# Altium PCB PROB_S7CAS_PCB.PcbDoc (part 1 of 6) (continued)
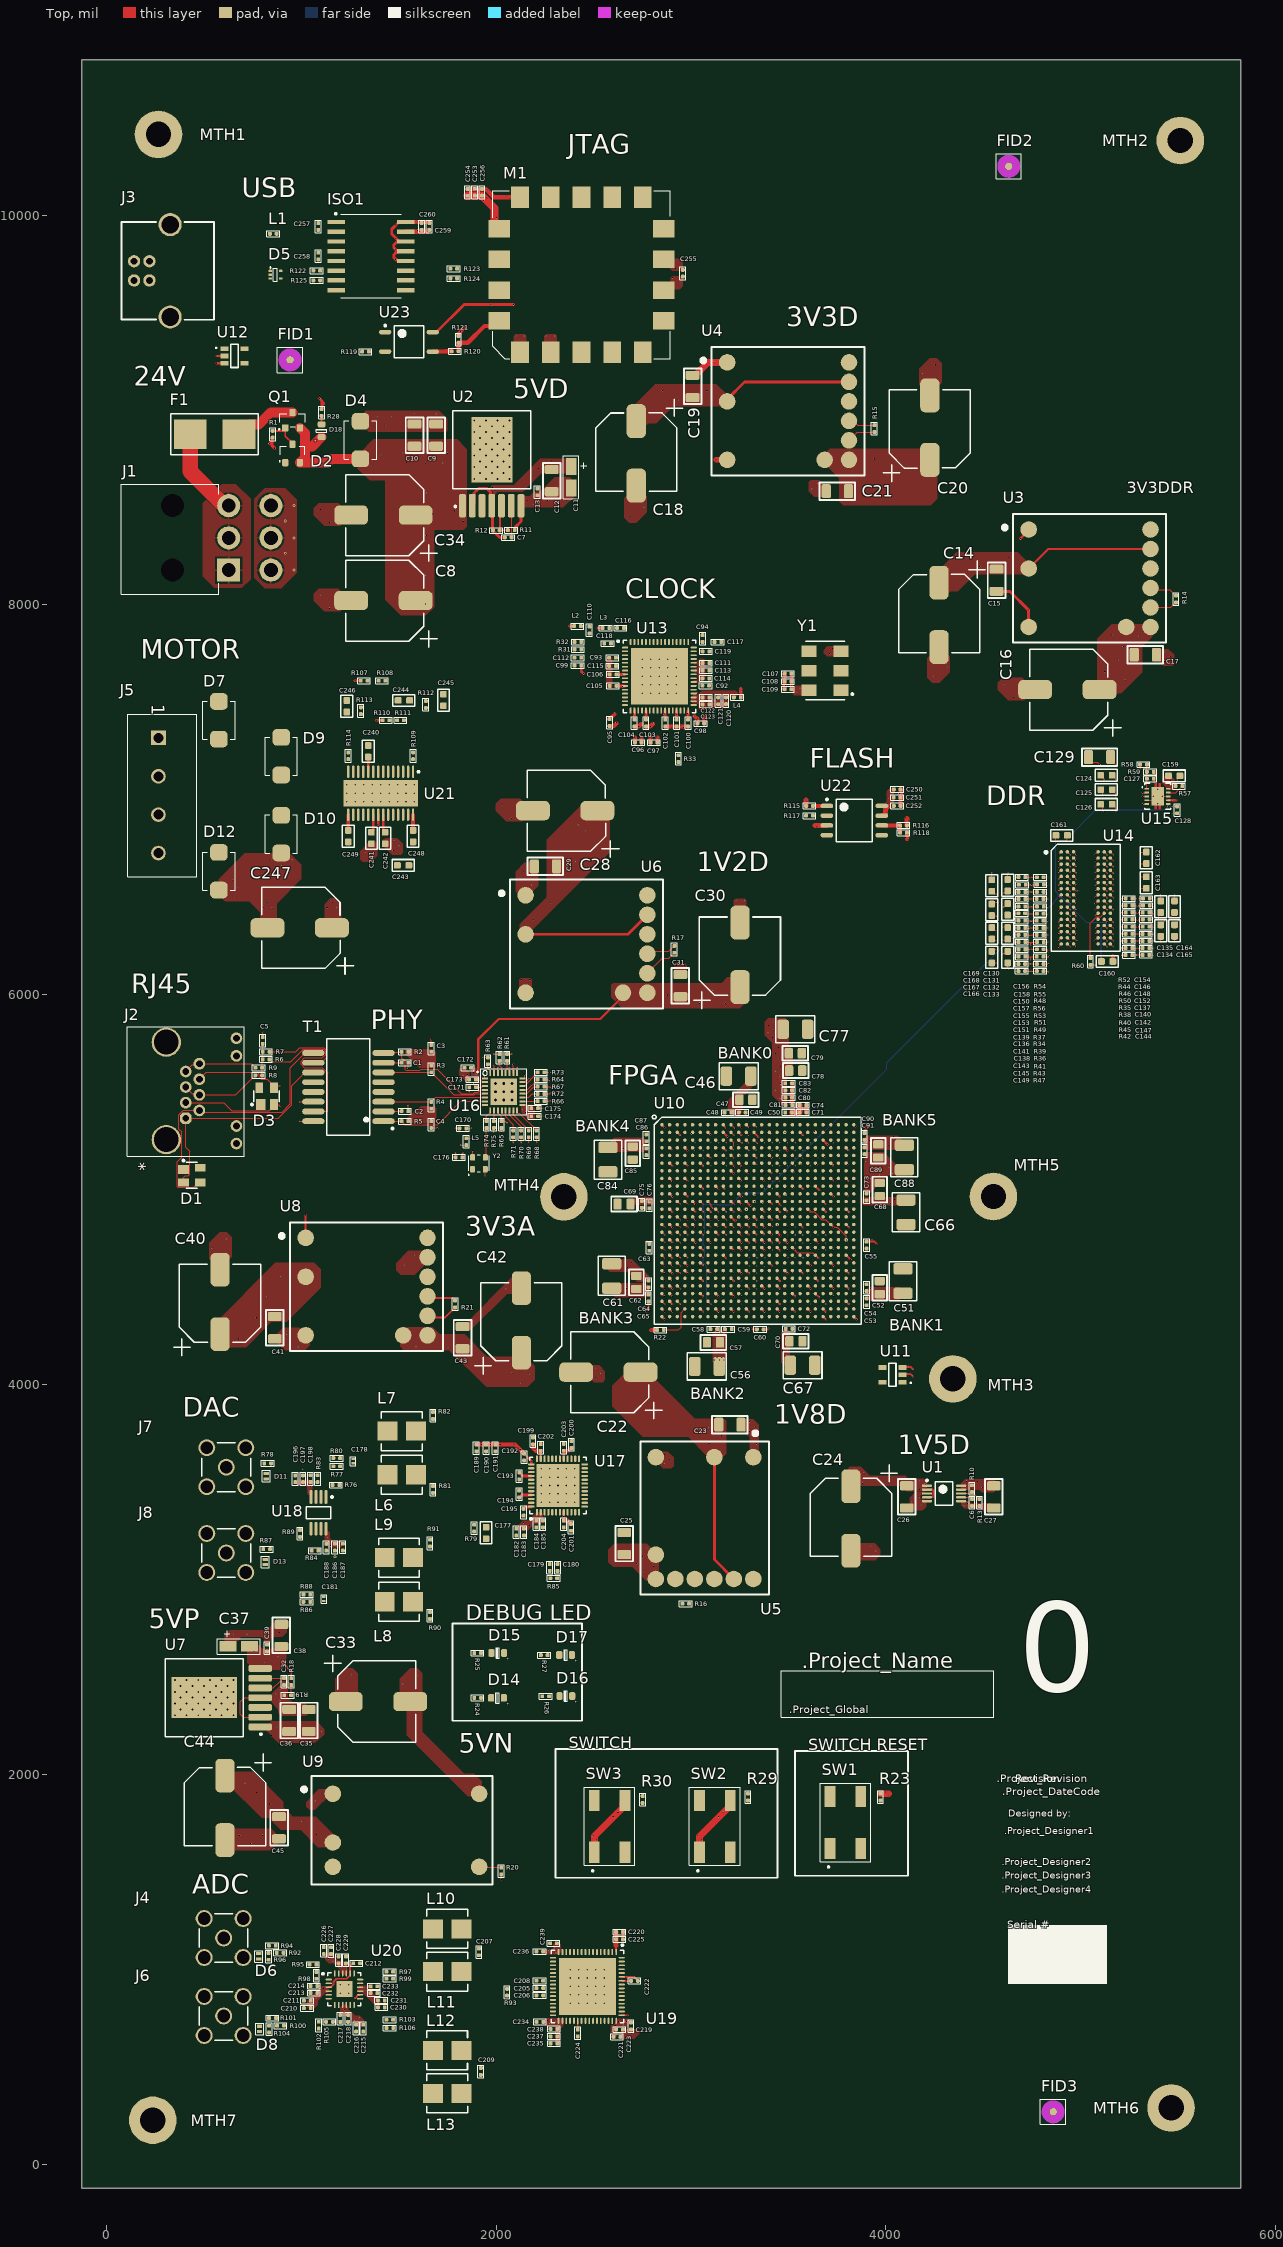
[diagram p0: Top view]
## Classes and differential pairs
component class PROB_S7CAS_Title: FID1 FID2 FID3 MTH1 MTH2 MTH5 MTH6 MTH7 WA1
component class PROB_S7CAS_PHY: C170 C171 C172 C173 C174 C175 C176 L5 R61 R62 R63 R64 R65 R66 R67 R68 R69 R70 R71 R72 R73 R74 R75 U16 Y2
component class PROB_S7CAS_MOTDRIVER: C240 C241 C242 C243 C244 C245 C246 C247 C248 C249 R107 R108 R109 R110 R111 R112 R113 R114 U21
component class PROB_S7CAS_INTERFACE: D14 D15 D16 D17 D18 R23 R24 R25 R26 R27 R28 R29 R30 SW1 SW2 SW3 U11 U12
component class PROB_S7CAS_FPGA_3: C84 C85 C86 C87 C88 C89 C90 C91
component class PROB_S7CAS_FPGA_2: C56 C57 C58 C59 C60 C61 C62 C63 C64 C65 C66 C67 C68 C69 C70 C71 C72 C73 C74 C75 C76 C77 C78 C79 C80 C81 C82 C83 R22
component class PROB_S7CAS_FPGA_1: C46 C47 C48 C49 C50 C51 C52 C53 C54 C55 U10
component class PROB_S7CAS_FLASH-JTAG: C250 C251 C252 C253 C254 C255 C256 C257 C258 C259 C260 ISO1 M1 R115 R116 R117 R118 R119 R120 R121 R122 R123 R124 R125 U22 U23
component class PROB_S7CAS_DDR: C124 C125 C126 C127 C128 C129 C130 C131 C132 C133 C134 C135 C136 C137 C138 C139 C140 C141 C142 C143 C144 C145 C146 C147 C148 C149 C150 C151 C152 C153 C154 C155 C156 C157 C158 C159 C160 C161 C162 C163 C164 C165 C166 C167 C168 C169 R34 R35 R36 R37 R38 R39 R40 R41 R42 R43 R44 R45 R46 R47 R48 R49 R50 R51 R52 R53 R54 R55 R56 R57 R58 R59 R60 U14 U15
component class PROB_S7CAS_DAC: C177 C178 C179 C180 C181 C182 C183 C184 C185 C186 C187 C188 C189 C190 C191 C192 C193 C194 C195 C196 C197 C198 C199 C200 C201 C202 C203 C204 L6 L7 L8 L9 R76 R77 R78 R79 R80 R81 R82 R83 R84 R85 R86 R87 R88 R89 R90 R91 U17 U18
component class PROB_S7CAS_Connectors: C1 C2 C3 C4 C5 D1 D2 D3 D4 D5 D6 D7 D8 D9 D10 D11 D12 D13 F1 J1 J2 J3 J4 J5 J6 J7 J8 L1 Q1 R1 R2 R3 R4 R5 R6 R7 R8 R9 T1
component class PROB_S7CAS_Clock: C92 C93 C94 C95 C96 C97 C98 C99 C100 C101 C102 C103 C104 C105 C106 C107 C108 C109 C110 C111 C112 C113 C114 C115 C116 C117 C118 C119 C120 C121 C122 C123 L2 L3 L4 R31 R32 R33 U13 Y1
component class PROB_S7CAS_ArbreAlimentation: C6 C7 C8 C9 C10 C11 C12 C13 C14 C15 C16 C17 C18 C19 C20 C21 C22 C23 C24 C25 C26 C27 C28 C29 C30 C31 C32 C33 C34 C35 C36 C37 C38 C39 C40 C41 C42 C43 C44 C45 R10 R11 R12 R13 R14 R15 R16 R17 R18 R19 R20 R21 U1 U2 U3 U4 U5 U6 U7 U8 U9 XXXXXXXXXXXXXXX
component class PROB_S7CAS_ADC: C205 C206 C207 C208 C209 C210 C211 C212 C213 C214 C215 C216 C217 C218 C219 C220 C221 C222 C223 C224 C225 C226 C227 C228 C229 C230 C231 C232 C233 C234 C235 C236 C237 C238 C239 L10 L11 L12 L13 R92 R93 R94 R95 R96 R97 R98 R99 R100 R101 R102 R103 R104 R105 R106 U19 U20

## Components (designator, comment, footprint, x,y, rotation, side; value= is the part's Value field where it differs from the comment)
C1 "CAP - 0402" CAP_0402 1532.52,5650.94 r180 top value=0.2u
C2 "CAP - 0402" CAP_0402 1532.52,5402.78 r180 top value=0.2u
C3 "CAP - 0402" CAP_0402 1667.18,5724.87 r270 top value=0.1u
C4 "CAP - 0402" CAP_0402 1667.34,5333.74 r90 top value=0.1u
C5 "CAP - 0402" CAP_0402 802.62,5765.31 r270 top value=1000p
C6 "CAP - 0402" CAP_0402 4441.43,3394.87 r90 top
C7 "CAP - 0402" CAP_0402 2062.1,8345.93 r0 top value=0.22u
C8 "MAL215099101E3" CAP_ALU_1010_vishay 1256.22,8021.75 r0 top value=150uF
C9 "CAP - 1206" CAP_1206 1692.12,8870.76 r270 top value=10u
C10 "CAP - 1206" CAP_1206 1581.37,8870.76 r270 top value=10u
C11 "CAP - TANTALUM - CASE A" CAP_TAN_1206(A) 2385.21,8654.44 r270 top value=220u
C12 "CAP - 1206" CAP_1206 2284.87,8637.29 r270 top value=100u
C13 "CAP - 0402" CAP_0402 2211.64,8579.66 r270 top value=47n
C14 "MAL214699501E3" CAP_ALU_1010_vishay 4272.18,7783.28 r90 top value=330uF
C15 "CAP - 1206" CAP_1206 4567.24,8126.23 r90 top value=22u
C16 "MAL215099101E3" CAP_ALU_1010_vishay 4765.21,7565.27 r0 top value=150uF
C17 "CAP - 1206" CAP_1206 5330.72,7744.39 r180 top value=100u
C18 "MAL214699501E3" CAP_ALU_1010_vishay 2719.2,8612.16 r90 top value=330uF
C19 "CAP - 1206" CAP_1206 3007.79,9120.49 r270 top value=22u
C20 "MAL215099101E3" CAP_ALU_1010_vishay 4225.02,9074.28 r270 top value=150uF
C21 "CAP - 1206" CAP_1206 3750.82,8583.32 r0 top value=100u
C22 "MAL214699501E3" CAP_ALU_1010_vishay 2410.41,4063.51 r0 top locked value=330uF
C23 "CAP - 1206" CAP_1206 3199.24,3794.51 r180 top value=22u
C24 "MAL215099101E3" CAP_ALU_1010_vishay 3820.36,3147.48 r90 top locked value=150uF
C25 "CAP - 1206" CAP_1206 2657.47,3184.52 r270 top value=100u
C26 "CAP - 1206" CAP_1206 4106.96,3423.76 r90 top value=10u
C27 "CAP - 1206" CAP_1206 4553.38,3423.76 r90 top value=47u
C28 "MAL214699501E3" CAP_ALU_1010_vishay 2188.84,6944.2 r0 top value=330uF
C29 "CAP - 1206" CAP_1206 2253,6658.51 r0 top value=22u
C30 "MAL215099101E3" CAP_ALU_1010_vishay 3251.36,6370.09 r270 top value=150uF
C31 "CAP - 1206" CAP_1206 2945.38,6046.76 r270 top value=100u
C32 "CAP - 0402" CAP_0402 911.96,2476.59 r90 top value=0.22u
C33 "MAL215099101E3" CAP_ALU_1010_vishay 1559.47,2373.58 r180 top locked value=100uF
C34 "MAL215099101E3" CAP_ALU_1010_vishay 1256.63,8460.73 r0 top value=150uF
C35 "CAP - 1206" CAP_1206 1038.78,2276.58 r270 top value=10u
C36 "CAP - 1206" CAP_1206 938.29,2276.58 r270 top value=10u
C37 "CAP - TANTALUM - CASE A" CAP_TAN_1206(A) 679.5,2657.04 r0 top value=220u
C38 "CAP - 1206" CAP_1206 898.26,2712.96 r270 top value=100u
C39 "CAP - 0402" CAP_0402 824.76,2647.7 r270 top value=47n
C40 "MAL214699501E3" CAP_ALU_1010_vishay 583.84,4589.29 r270 top value=330uF
C41 "CAP - 1206" CAP_1206 864.64,4291.92 r90 top value=22u
C42 "MAL215099101E3" CAP_ALU_1010_vishay 2129.65,4494.29 r270 top locked value=150uF
C43 "CAP - 1206" CAP_1206 1827.79,4240.58 r270 top value=100u
C44 "MAL214699501E3" CAP_ALU_1010_vishay 608.66,1662.87 r90 top locked value=330uF
C45 "CAP - 1206" CAP_1206 886.34,1726.58 r90 top value=22u
C46 "CAP - 1210" CAP_1210 3244.06,5582.07 r0 top value=100u
C47 "CAP - 0805" CAP_0805 3280.91,5461.31 r180 top value=4.7u
C48 "CAP - 0402" CAP_0402 3189.07,5395.54 r0 top value=0.47u
C49 "CAP - 0402" CAP_0402 3262.84,5396.13 r180 top value=0.47u
C50 "CAP - 0402" CAP_0402 3500.88,5396.58 r0 top value=0.47u
C51 "CAP - 1210" CAP_1210 4087.34,4530.72 r270 top value=100u
C52 "CAP - 0805" CAP_0805 3968.2,4497.27 r270 top value=4.7u
C53 "CAP - 0402" CAP_0402 3900.92,4424.47 r90 top value=0.47u
C54 "CAP - 0402" CAP_0402 3900.92,4497.27 r270 top value=0.47u
C55 "CAP - 0402" CAP_0402 3900.92,4715.5 r90 top value=0.47u
C56 "CAP - 1210" CAP_1210 3081.67,4093.33 r0 top value=100u
C57 "CAP - 0805" CAP_0805 3115.11,4216.44 r0 top value=4.7u
C58 "CAP - 0402" CAP_0402 3116.61,4284.46 r0 top value=0.47u
C59 "CAP - 0402" CAP_0402 3191.27,4284.46 r180 top value=0.47u
C60 "CAP - 0402" CAP_0402 3355.13,4283.03 r180 top value=0.47u
C61 "CAP - 1210" CAP_1210 2592.94,4557.13 r270 top value=100u
C62 "CAP - 0805" CAP_0805 2719.36,4523.69 r270 top value=4.7u
C63 "CAP - 0402" CAP_0402 2785.76,4703.91 r90 top value=0.47u
C64 "CAP - 0402" CAP_0402 2782.41,4516.42 r270 top value=0.47u
C65 "CAP - 0402" CAP_0402 2782.1,4443.7 r90 top value=0.47u
C66 "CAP - 1210" CAP_1210 4102.79,4883.7 r90 top value=100u
C67 "CAP - 1210" CAP_1210 3571.92,4099.27 r180 top value=100u
C68 "CAP - 0805" CAP_0805 3968.2,5000.58 r270 top value=4.7u
C69 "CAP - 0805" CAP_0805 2656.19,4926.25 r0 top value=4.7u
C70 "CAP - 0805" CAP_0805 3538.14,4222.2 r180 top value=4.7u
C71 "CAP - 0402" CAP_0402 3574.2,5396.58 r180 top value=0.47u
C72 "CAP - 0402" CAP_0402 3503.17,4285.85 r180 top value=0.47u
C73 "CAP - 0402" CAP_0402 3900.92,4962.65 r270 top value=0.47u
C74 "CAP - 0402" CAP_0402 3573.95,5433.88 r180 top value=0.47u
C75 "CAP - 0402" CAP_0402 2747.52,4924.28 r90 top value=0.47u
C76 "CAP - 0402" CAP_0402 2785.57,4921.71 r90 top value=0.47u
C77 "CAP - 1210" CAP_1210 3534.89,5823.01 r180 top value=100u
C78 "CAP - 0805" CAP_0805 3536.67,5610.61 r180 top value=4.7u
C79 "CAP - 0805" CAP_0805 3534.89,5699.83 r180 top value=4.7u
C80 "CAP - 0402" CAP_0402 3501.39,5472.27 r180 top value=0.47u
C81 "CAP - 0402" CAP_0402 3501.55,5434.04 r180 top value=0.47u
C82 "CAP - 0402" CAP_0402 3501.18,5509.1 r180 top value=0.47u
C83 "CAP - 0402" CAP_0402 3500.93,5545.94 r180 top value=0.47u
C84 "CAP - 1210" CAP_1210 2573.39,5153.87 r90 top value=100u
C85 "CAP - 0805" CAP_0805 2701.1,5187.31 r90 top value=4.7u
C86 "CAP - 0402" CAP_0402 2770.68,5194.49 r90 top value=0.47u
C87 "CAP - 0402" CAP_0402 2770.57,5265.93 r270 top value=0.47u
C88 "CAP - 1210" CAP_1210 4094.16,5165.06 r90 top value=100u
C89 "CAP - 0805" CAP_0805 3960.68,5198.49 r90 top value=4.7u
C90 "CAP - 0402" CAP_0402 3889.62,5272.89 r270 top value=0.47u
C91 "CAP - 0402" CAP_0402 3889.75,5199.49 r90 top value=0.47u
C92 "CAP - 0402" CAP_0402 3075.37,7585.8 r180 top value=10u
C93 "CAP - 0402" CAP_0402 2597.48,7728.54 r0 top value=10u
C94 "CAP - 0402" CAP_0402 3059.55,7827.26 r270 top value=1u
C95 "CAP - 0402" CAP_0402 2582.48,7396.08 r90 top value=4.7u
C96 "CAP - 0402" CAP_0402 2729.21,7293.58 r180 top value=100n
C97 "CAP - 0402" CAP_0402 2810.14,7293.58 r180 top value=100n
C98 "CAP - 0402" CAP_0402 3049.98,7391.71 r180 top value=100n
C99 "CAP - 0402" CAP_0402 2419.2,7689.17 r0 top value=100n
C100 "CAP - 0402" CAP_0402 2985.12,7393.89 r90 top value=470p
C101 "CAP - 0402" CAP_0402 2926.06,7393.58 r90 top value=470p
C102 "CAP - 0402" CAP_0402 2867.48,7393.58 r90 top value=470p
C103 "CAP - 0402" CAP_0402 2768.58,7393.58 r90 top value=470p
C104 "CAP - 0402" CAP_0402 2709.53,7393.58 r90 top value=470p
C105 "CAP - 0402" CAP_0402 2600.29,7584.37 r0 top value=470p
C106 "CAP - 0402" CAP_0402 2599.98,7643.42 r0 top value=470p
C107 "CAP - 0402" CAP_0402 3497.79,7647.11 r0 top value=4.7u
C108 "CAP - 0402" CAP_0402 3497.48,7607.11 r0 top value=100n
C109 "CAP - 0402" CAP_0402 3497.48,7567.11 r0 top value=4.7n
C110 "CAP - 0402" CAP_0402 2478.68,7871.08 r90 top value=4.7u
C111 "CAP - 0402" CAP_0402 3076.93,7701.44 r180 top value=100n
C112 "CAP - 0402" CAP_0402 2419.19,7728.54 r0 top value=100n
C113 "CAP - 0402" CAP_0402 3076.74,7663.11 r180 top value=4.7n
C114 "CAP - 0402" CAP_0402 3076,7622.86 r180 top value=4.7n
C115 "CAP - 0402" CAP_0402 2597.48,7686.69 r0 top value=4.7n
C116 "CAP - 0402" CAP_0402 2638.53,7881.24 r180 top value=4.7u
C117 "CAP - 0402" CAP_0402 3137.48,7809.76 r180 top value=100n
C118 "CAP - 0402" CAP_0402 2572.48,7801.88 r0 top value=4.7n
C119 "CAP - 0402" CAP_0402 3076.74,7761.53 r180 top value=4.7n
C120 "CAP - 0402" CAP_0402 3179.66,7508.06 r90 top value=4.7u
C121 "CAP - 0402" CAP_0402 3139.34,7507.74 r90 top value=100n
C122 "CAP - 0402" CAP_0402 3076.42,7525.31 r180 top value=4.7n
C123 "CAP - 0402" CAP_0402 3076.74,7489.52 r180 top value=4.7n
C124 "CAP - 0603" CAP_0603 5131.19,7125.48 r0 top value=10u
C125 "CAP - 0603" CAP_0603 5131.19,7052.3 r0 top value=10u
C126 "CAP - 0603" CAP_0603 5131.19,6976.66 r0 top value=10u
C127 "CAP - 0402" CAP_0402 5356.1,7107.85 r180 top value=1000p
C128 "CAP - 0402" CAP_0402 5493.72,6948.33 r90 top value=0.1n
C129 "CAP - 1206" CAP_1206 5095.62,7219 r0 top value=4.7u
C130 "CAP - 0603" CAP_0603 4624.46,6562.02 r270 top value=47n
C131 "CAP - 0603" CAP_0603 4624.46,6437.99 r90 top value=47n
C132 "CAP - 0603" CAP_0603 4624.46,6314.81 r270 top value=47n
C133 "CAP - 0603" CAP_0603 4624.46,6192.89 r90 top value=47n
C134 "CAP - 0603" CAP_0603 5409.47,6328.9 r90 top value=47n
C135 "CAP - 0603" CAP_0603 5409.47,6451.42 r270 top value=47n
C136 "CAP - 0402" CAP_0402 4696.93,6306.78 r0 top value=470p
C137 "CAP - 0402" CAP_0402 5334.73,6348.76 r180 top value=470p
C138 "CAP - 0402" CAP_0402 4697.94,6231.72 r0 top value=470p
C139 "CAP - 0402" CAP_0402 4696.93,6342.32 r0 top value=470p
C140 "CAP - 0402" CAP_0402 5333.86,6311.16 r180 top value=470p
C141 "CAP - 0402" CAP_0402 4697.69,6270.13 r0 top value=470p
C142 "CAP - 0402" CAP_0402 5333.86,6275.7 r180 top value=470p
C143 "CAP - 0402" CAP_0402 4697.69,6195.35 r0 top value=470p
C144 "CAP - 0402" CAP_0402 5333.45,6204.3 r180 top value=470p
C145 "CAP - 0402" CAP_0402 4696.69,6157.7 r0 top value=470p
C146 "CAP - 0402" CAP_0402 5335.8,6457.65 r180 top value=470p
C147 "CAP - 0402" CAP_0402 5333.86,6239.5 r180 top value=470p
C148 "CAP - 0402" CAP_0402 5334.68,6421.4 r180 top value=470p
C149 "CAP - 0402" CAP_0402 4696.69,6121.25 r0 top value=470p
C150 "CAP - 0402" CAP_0402 4697.51,6527.04 r0 top value=470p
C151 "CAP - 0402" CAP_0402 4696.9,6380.26 r0 top value=470p
C152 "CAP - 0402" CAP_0402 5335.25,6385.62 r180 top value=470p
C153 "CAP - 0402" CAP_0402 4696.72,6417.71 r0 top value=470p
C154 "CAP - 0402" CAP_0402 5335.8,6493.75 r180 top value=470p
C155 "CAP - 0402" CAP_0402 4697.15,6453.16 r0 top value=470p
C156 "CAP - 0402" CAP_0402 4697.27,6603.31 r0 top value=470p
C157 "CAP - 0402" CAP_0402 4697.5,6491.18 r0 top value=470p
C158 "CAP - 0402" CAP_0402 4699.53,6564.28 r0 top value=470p
C159 "CAP - 0603" CAP_0603 5478.34,7122.85 r180 top value=4.7u
C160 "CAP - 0603" CAP_0603 5134.73,6170.6 r180 top value=10u
C161 "CAP - 0603" CAP_0603 4901.24,6817.21 r180 top value=10u
C162 "CAP - 0603" CAP_0603 5335.63,6702.07 r270 top value=0.1u
C163 "CAP - 0603" CAP_0603 5335.62,6575.41 r90 top value=0.1u
C164 "CAP - 0603" CAP_0603 5480.26,6451.42 r270 top value=0.1u
C165 "CAP - 0603" CAP_0603 5480.27,6328.9 r90 top value=0.1u
C166 "CAP - 0603" CAP_0603 4543.01,6192.89 r90 top value=0.1u
C167 "CAP - 0603" CAP_0603 4543.02,6314.71 r270 top value=0.1u
C168 "CAP - 0603" CAP_0603 4543.02,6435.07 r90 top value=0.1u
C169 "CAP - 0603" CAP_0603 4543.02,6559.92 r270 top value=0.1u
C170 "CAP - 0402" CAP_0402 1829.29,5314.24 r0 top value=22u
C171 "CAP - 0402" CAP_0402 1879.53,5525.38 r0 top value=0.1u
C172 "CAP - 0402" CAP_0402 1854.61,5625.52 r0 top value=2.2u
C173 "CAP - 0402" CAP_0402 1879.15,5564.75 r0 top value=0.1u
C174 "CAP - 0402" CAP_0402 2197.79,5376.25 r180 top value=22u
C175 "CAP - 0402" CAP_0402 2197.79,5417.78 r180 top value=0.1u
C176 "CAP - 0402" CAP_0402 1809.92,5165.59 r0 top value=0.01u
C177 "CAP - 0603" CAP_0603 1948.56,3238.84 r90 top value=0.1u
C178 "CAP - 0201" CAP_0201 1265.97,3606.71 r270 top value=47p
C179 "CAP - 0402" CAP_0402 2275.22,3061.15 r90 top value=0.1u
C180 "CAP - 0402" CAP_0402 2315.36,3061.15 r90 top value=0.1u
C181 "CAP - 0201" CAP_0201 1116.39,2900.21 r270 top value=47p
C182 "CAP - 0402" CAP_0402 2103.41,3243.15 r90 top value=4.7u
C183 "CAP - 0402" CAP_0402 2142.47,3243.46 r90 top value=100n
C184 "CAP - 0402" CAP_0402 2206.11,3284.69 r90 top value=470p
C185 "CAP - 0402" CAP_0402 2240.4,3285 r90 top value=470p
C186 "CAP - 0402" CAP_0402 1172.74,3165.57 r90 top value=4.7u
C187 "CAP - 0402" CAP_0402 1213.76,3165.87 r90 top value=100n
C188 "CAP - 0402" CAP_0402 1129.35,3165.55 r90 top value=470p
C189 "CAP - 0402" CAP_0402 1898.72,3675 r90 top value=4.7u
C190 "CAP - 0402" CAP_0402 1948.72,3675 r90 top value=100n
C191 "CAP - 0402" CAP_0402 1996.22,3675 r90 top value=100n
C192 "CAP - 0402" CAP_0402 2144.04,3627.8 r90 top value=470p
C193 "CAP - 0402" CAP_0402 2118.57,3531.34 r90 top value=470p
C194 "CAP - 0402" CAP_0402 2118.41,3438.82 r270 top value=470p
C195 "CAP - 0402" CAP_0402 2141.18,3345.05 r90 top value=470p
C196 "CAP - 0402" CAP_0402 969.62,3516.9 r90 top value=4.7u
C197 "CAP - 0402" CAP_0402 1009.1,3516.9 r90 top value=100n
C198 "CAP - 0402" CAP_0402 1047.76,3517 r90 top value=470p
C199 "CAP - 0402" CAP_0402 2189.27,3710.97 r270 top value=4.7u
C200 "CAP - 0402" CAP_0402 2387.07,3692.23 r270 top value=100n
C201 "CAP - 0402" CAP_0402 2384.38,3267.61 r90 top value=100n
C202 "CAP - 0402" CAP_0402 2228.96,3677.49 r270 top value=470p
C203 "CAP - 0402" CAP_0402 2346.92,3677.81 r270 top value=470p
C204 "CAP - 0402" CAP_0402 2347.07,3285 r90 top value=470p
C205 "CAP - 0402" CAP_0402 2223.96,903.53 r0 top value=0.1u
C206 "CAP - 0402" CAP_0402 2223.96,866.34 r0 top value=0.1u
C207 "CAP - 0402" CAP_0402 1911.92,1089.62 r90 top value=47p
C208 "CAP - 0402" CAP_0402 2223.96,941.69 r0 top value=10n
C209 "CAP - 0402" CAP_0402 1921.6,476.08 r90 top value=47p
C210 "CAP - 0402" CAP_0402 1031.4,800.68 r0 top value=4.7u
C211 "CAP - 0402" CAP_0402 1031.4,839.32 r0 top value=100n
C212 "CAP - 0402" CAP_0402 1284.58,1031.22 r180 top value=1n
C213 "CAP - 0402" CAP_0402 1065.19,878.71 r0 top value=1n
C214 "CAP - 0402" CAP_0402 1065.19,914.14 r0 top value=1n
C215 "CAP - 0402" CAP_0402 1318.23,698.18 r90 top value=4.7u
C216 "CAP - 0402" CAP_0402 1281.97,698.18 r90 top value=100n
C217 "CAP - 0402" CAP_0402 1200.31,748.18 r90 top value=1n
C218 "CAP - 0402" CAP_0402 1240.87,748.18 r90 top value=1n
C219 "CAP - 0402" CAP_0402 2692.17,708.79 r90 top value=4.7u
C220 "CAP - 0402" CAP_0402 2633.02,1191.21 r180 top value=100n
C221 "CAP - 0402" CAP_0402 2620.63,653.76 r180 top value=100n
C222 "CAP - 0402" CAP_0402 2709.47,941.03 r180 top value=1n
C223 "CAP - 0402" CAP_0402 2633.29,691.08 r180 top value=1n
C224 "CAP - 0402" CAP_0402 2418.94,673.58 r90 top value=1n
C225 "CAP - 0402" CAP_0402 2633.29,1153.58 r180 top value=1n
C226 "CAP - 0402" CAP_0402 1115.82,1096.12 r90 top value=4.7u
C227 "CAP - 0402" CAP_0402 1153.07,1095.73 r90 top value=100n
C228 "CAP - 0402" CAP_0402 1192.12,1048.15 r90 top value=1n
C229 "CAP - 0402" CAP_0402 1229.46,1048.22 r90 top value=41n
C230 "CAP - 0402" CAP_0402 1411.46,805.1 r0 top value=4.7u
C231 "CAP - 0402" CAP_0402 1411.05,840.98 r0 top value=100n
C232 "CAP - 0402" CAP_0402 1373.41,877.92 r0 top value=1n
C233 "CAP - 0402" CAP_0402 1373.55,913.22 r0 top value=1n
C234 "CAP - 0402" CAP_0402 2224.62,730.79 r0 top value=4.7u
C235 "CAP - 0402" CAP_0402 2296.97,619.4 r0 top value=100n
C236 "CAP - 0402" CAP_0402 2223.96,1091.33 r0 top value=100n
C237 "CAP - 0402" CAP_0402 2296.97,656.08 r0 top value=1n
C238 "CAP - 0402" CAP_0402 2296.97,694.5 r0 top value=1n
C239 "CAP - 0402" CAP_0402 2294.47,1133.58 r0 top value=1n
C240 "CAP - 0603" CAP_0603 1343.82,7248.39 r270 top value=0.1u
C241 "CAP - 0603" CAP_0603 1360.38,6803.58 r90 top value=0.22u
C242 "CAP - 0603" CAP_0603 1430.5,6803.58 r270 top value=0.22u
C243 "CAP - 0603" CAP_0603 1522.95,6663.58 r180 top value=0.22u
C244 "CAP - 0603" CAP_0603 1526.87,7510 r180 top value=0.1u
C245 "CAP - 0603" CAP_0603 1729.44,7511.49 r270 top value=1000p
C246 "CAP - 0603" CAP_0603 1233.85,7479.46 r270 top value=1000p
C247 "MAL215099101E3" CAP_ALU_1010_vishay 827.08,6343.58 r0 top locked value=100uF
C248 "CAP - 0603" CAP_0603 1574.14,6813.58 r90 top value=0.1u
C249 "CAP - 0603" CAP_0603 1241.46,6813.58 r90 top value=0.1u
C250 "CAP - 0402" CAP_0402 4057.79,7053.58 r180 top value=4.7u
C251 "CAP - 0402" CAP_0402 4057.48,7011.69 r180 top value=100n
C252 "CAP - 0402" CAP_0402 4057.79,6968.58 r180 top value=4.7n
C253 "CAP - 0402" CAP_0402 1891.09,10117.03 r270 top value=4.7u
C254 "CAP - 0402" CAP_0402 1852.91,10116.41 r270 top value=100n
C255 "CAP - 0402" CAP_0402 2957.79,9701.08 r90 top value=4.7n
C256 "CAP - 0402" CAP_0402 1927.79,10116.81 r270 top value=4.7n
C257 "CAP - 0402" CAP_0402 1087.64,9941.36 r90 top value=0.1u
C258 "CAP - 0402" CAP_0402 1087.48,9789.56 r270 top value=0.1u
C259 "CAP - 0402" CAP_0402 1657.27,9941.36 r90 top value=0.1u
C260 "CAP - 0402" CAP_0402 1617.91,9941.36 r90 top value=0.1u
D1 "SR3.3.TCT" TVS_SR3.3.TCT 439.21,5074.04 r0 top
D2 "BAS40-04-7-F" DIO_SCHOTTKY_BAS40-04-7-F 955.65,8776.93 r90 top value=-
D3 "SR3.3.TCT" TVS_SR3.3.TCT 822.44,5479.56 r90 top
D4 "SMBJ24CA" TVS_PWR_SMBJ36CA 1303.86,8845.3 r90 top value="Vbr = 26.7V -  Clamp = 38.9V"
D5 "TPD2E001DRLR" TVS_USB_TPD2E001DRLR 867.79,9693.58 r0 top value="11V Breakdown"
D6 "TPD1E1B04DPYR" TVS_DATA_TPD1E1B04DPYR 782.49,1066.57 r270 top
D7 "SMBJ24CA" TVS_PWR_SMBJ36CA 577.79,7407.83 r90 top value="Vbr = 26.7V -  Clamp = 38.9V"
D8 "TPD1E1B04DPYR" TVS_DATA_TPD1E1B04DPYR 786.43,694.14 r270 top
D9 "SMBJ24CA" TVS_PWR_SMBJ36CA 897.79,7223.58 r90 top value="Vbr = 26.7V -  Clamp = 38.9V"
D10 "SMBJ24CA" TVS_PWR_SMBJ36CA 897.79,6823.58 r270 top value="Vbr = 26.7V -  Clamp = 38.9V"
D11 "TPD1E1B04DPYR" TVS_DATA_TPD1E1B04DPYR 819.91,3529.71 r270 top
D12 "SMBJ24CA" TVS_PWR_SMBJ36CA 577.79,6633.58 r270 top value="Vbr = 26.7V -  Clamp = 38.9V"
D13 "TPD1E1B04DPYR" TVS_DATA_TPD1E1B04DPYR 815.98,3089.71 r270 top
D14 "SML-311DTT86" LED_0603 2007.16,2392.79 r180 top value=ORANGE
D15 "SML-311DTT86" LED_0603 2008.7,2622.79 r180 top value=ORANGE
D16 "SML-311DTT86" LED_0603 2357.88,2401.88 r180 top value=ORANGE
D17 "SML-311DTT86" LED_0603 2356.34,2612.7 r180 top value=ORANGE
D18 "SML-311UTT86" LED_0603 1104.64,8893.26 r90 top locked value=RED
F1 "0154002.DR" FUS_0154XXX.DR 555.64,8875.36 r0 top value="2A 125V AC/DC FAST"
FID1 "FID 1MM" FID_CIRCLE_1MM 942.86,9256.73 r0 top
FID2 "FID 1MM" FID_CIRCLE_1MM 4630,10250 r0 top
FID3 "FID 1MM" FID_CIRCLE_1MM 4857.79,269.11 r0 top
ISO1 "ADUM3160BRWZ-RL" ISO_ADUM3160BRWZ-RL 1357.79,9789.57 r0 top value="2500Vrms voltage isolation"
J1 "0039300060" CON_MINIFIT_0039300060 447.79,8343.58 r90 top locked
J2 "RJHSE-5385" CONN_ETHERNET_RJHSE-5385 407.79,5506.25 r270 top
J3 "USB-B-S-F-B-TH" CON_USB_USB-B-S-F-B-TH 327.79,9713.58 r90 top value="USB B"
J4 "5-1814400-1" CONN_SMA_5-1814400-1 601.97,1160.67 r90 top
J5 "OSTTC040162" CONN_TERMINAL_OSTTA040161 267.79,7022 r270 top
J6 "5-1814400-1" CONN_SMA_5-1814400-1 601.97,760.67 r90 top
J7 "5-1814400-1" CONN_SMA_5-1814400-1 615.97,3576.21 r90 top
J8 "5-1814400-1" CONN_SMA_5-1814400-1 615.97,3136.21 r90 top
L1 "FER - 0402" FER_0402 856.79,9903.58 r180 top value=120R
L2 "FER - 0402" FER_0402 2417.48,7891.08 r180 top value=600R
L3 "FER - 0402" FER_0402 2562.7,7881.24 r180 top value=600R
L4 "FER - 0402" FER_0402 3237.48,7525.24 r0 top value=600R
L5 "FER - 0402" FER_0402 1846.79,5246.24 r90 top value=100R
L6 "Inductor" INDM5250X66N 1515.97,3536.9 r180 top value=50n
L7 "Inductor" INDM5250X66N 1515.97,3761.21 r180 top value=50n
L8 "Inductor" INDM5250X66N 1501.64,2885.78 r180 top value=50n
L9 "Inductor" INDM5250X66N 1501.64,3112.3 r180 top value=50n
L10 "Inductor" INDM5250X66N 1749.13,1207.51 r0 top value=50n
L11 "Inductor" INDM5250X66N 1749.13,988.27 r0 top value=50n
L12 "Inductor" INDM5250X66N 1748.82,584.27 r0 top value=50n
L13 "Inductor" INDM5250X66N 1749.13,363.58 r0 top value=50n
M1 "410-357-B" MOD_JTAG_410-357-B 2437.79,9693.58 r0 top locked
MTH1 "M3" MTH_M3 267.79,10413.58 r0 top
MTH2 "M3" MTH_M3 5510,10381.99 r0 top
MTH3 "M3" MTH_M3 4343.07,4029.27 r0 top
MTH4 "M3" MTH_M3 2347.65,4963.38 r0 top
MTH5 "M3" MTH_M3 4551.44,4964.67 r0 top
MTH6 "M3" MTH_M3 5462.8,289.11 r0 top
MTH7 "M3" MTH_M3 238.54,225.79 r0 top
Q1 "SI2310-TP" TRX_NMOS_SI2310-TP 955.66,8947.46 r90 top
R1 "RES - 0402" RES_0402 853.66,8875.36 r90 top
R2 "RES - 0402" RES_0402 1532.2,5707.07 r180 top value=49.9
R3 "RES - 0402" RES_0402 1667.34,5619.69 r270 top value=49.9
R4 "RES - 0402" RES_0402 1667.34,5432.55 r90 top value=49.9
R5 "RES - 0402" RES_0402 1532.2,5351.25 r180 top value=49.9
R6 "RES - 0402" RES_0402 820.13,5668.01 r0 top value=75
R7 "RES - 0402" RES_0402 820.13,5707.07 r0 top value=75
R8 "RES - 0402" RES_0402 782.42,5586.19 r180 top value=75
R9 "RES - 0402" RES_0402 782.42,5625.52 r180 top value=75
R10 "RES - 0402" RES_0402 4441.2,3466.07 r90 top value=100
R11 "RES - 0402" RES_0402 2077.9,8383.45 r0 top value=9.25k
R12 "RES - 0402" RES_0402 2000.74,8381.84 r0 top value=1.75k
R13 "RES - 0402" RES_0402 4479.61,3394.44 r90 top value=49.9
R14 "RES - 0402" RES_0402 5487.82,8029.56 r90 top value=1.21k
R15 "RES - 0402" RES_0402 3940.55,8904.19 r90 top value=1.21k
R16 "RES - 0402" RES_0402 2972.91,2875.81 r0 top value=4.78k
R17 "RES - 0402" RES_0402 2914.39,6232.84 r90 top value=12.1k
R18 "RES - 0402" RES_0402 949.12,2476.08 r90 top value=9.25k
R19 "RES - 0402" RES_0402 930.76,2406.01 r0 top value=1.75k
R20 "RES - 0402" RES_0402 2026.16,1504.76 r90 top
R21 "RES - 0402" RES_0402 1789.65,4413.58 r90 top value=1.21k
R22 "RES - 0402" RES_0402 2842.51,4280.11 r180 top value=4.7k
R23 "RES - 0402" RES_0402 3971.89,1883.58 r90 top value=4.7k
R24 "RES - 0402" RES_0402 1905.19,2392.79 r0 top value=750
R25 "RES - 0402" RES_0402 1905.19,2622.79 r0 top value=750
R26 "RES - 0402" RES_0402 2254.37,2401.13 r0 top value=750
R27 "RES - 0402" RES_0402 2246.86,2611.96 r0 top value=750
R28 "RES - 0402" RES_0402 1104.64,8986.83 r270 top value=11k
R29 "RES - 0402" RES_0402 3291.89,1883.54 r90 top value=4.7k
R30 "RES - 0402" RES_0402 2751.89,1871.04 r90 top value=4.7k
R31 "RES - 0402" RES_0402 2419.51,7771.22 r0 top
R32 "RES - 0402" RES_0402 2419.51,7809.79 r0 top
R33 "RES - 0402" RES_0402 2935.75,7211.1 r90 top value=1k
R34 "RES - 0402" RES_0402 4790.93,6306.45 r180 top value=40.2
R35 "RES - 0402" RES_0402 5247.61,6348.76 r0 top value=40.2
R36 "RES - 0402" RES_0402 4791.67,6233.22 r180 top value=40.2
R37 "RES - 0402" RES_0402 4790.73,6342.33 r180 top value=40.2
R38 "RES - 0402" RES_0402 5247.01,6312.31 r0 top value=40.2
R39 "RES - 0402" RES_0402 4791.9,6270.13 r180 top value=40.2
R40 "RES - 0402" RES_0402 5246.69,6275.69 r0 top value=40.2
R41 "RES - 0402" RES_0402 4791.24,6195.35 r180 top value=40.2
R42 "RES - 0402" RES_0402 5246.59,6203.14 r0 top value=40.2
R43 "RES - 0402" RES_0402 4791.4,6157.71 r180 top value=40.2
R44 "RES - 0402" RES_0402 5246.81,6457.65 r0 top value=40.2
R45 "RES - 0402" RES_0402 5246.8,6239.49 r0 top value=40.2
R46 "RES - 0402" RES_0402 5247.56,6421.39 r0 top value=40.2
R47 "RES - 0402" RES_0402 4791.4,6121.25 r180 top value=40.2
R48 "RES - 0402" RES_0402 4791.68,6527.04 r180 top value=40.2
R49 "RES - 0402" RES_0402 4790.55,6379.87 r180 top value=40.2
R50 "RES - 0402" RES_0402 5247.84,6385.62 r0 top value=40.2
R51 "RES - 0402" RES_0402 4791.6,6415.5 r180 top value=40.2
R52 "RES - 0402" RES_0402 5247.61,6493.74 r0 top value=40.2
R53 "RES - 0402" RES_0402 4791.9,6451.63 r180 top value=40.2
R54 "RES - 0402" RES_0402 4791.58,6602.35 r180 top value=40.2
R55 "RES - 0402" RES_0402 4792.27,6565.32 r180 top value=40.2
R56 "RES - 0402" RES_0402 4791.21,6491.18 r180 top value=40.2
R57 "RES - 0402" RES_0402 5502.62,7070.17 r180 top value=100k
R58 "RES - 0402" RES_0402 5321.22,7180.83 r180 top value=10k
R59 "RES - 0402" RES_0402 5356.1,7143.19 r180 top value=10k
R60 "RES - 0402" RES_0402 5049.15,6170.6 r90 top value=240
R61 "RES - 0402" RES_0402 2056.14,5678.13 r90 top value=33
R62 "RES - 0402" RES_0402 2016.78,5678.14 r90 top value=33
R63 "RES - 0402" RES_0402 1957.54,5660.64 r90 top value=1k
R64 "RES - 0402" RES_0402 2230.29,5564.75 r0 top value=33
R65 "RES - 0402" RES_0402 2027.6,5334.06 r270 top value=1k
R66 "RES - 0402" RES_0402 2230.57,5453.77 r0 top value=33
R67 "RES - 0402" RES_0402 2230.29,5528.18 r0 top value=33
R68 "RES - 0402" RES_0402 2207.56,5286.43 r270 top value=33
R69 "RES - 0402" RES_0402 2167.56,5286.43 r270 top value=33
R70 "RES - 0402" RES_0402 2128.38,5286.42 r270 top value=33
R71 "RES - 0402" RES_0402 2087.56,5286.43 r270 top value=33
R72 "RES - 0402" RES_0402 2230.59,5490.9 r0 top value=33
R73 "RES - 0402" RES_0402 2230.29,5601.96 r0 top value=33
R74 "RES - 0402" RES_0402 1950.43,5334.06 r270 top value=33
R75 "RES - 0402" RES_0402 1988.58,5334.06 r90 top value=6.49k
R76 "RES - 0402" RES_0402 1178.1,3484.69 r0 top value=1k
R77 "RES - 0402" RES_0402 1182.43,3580.89 r180 top value=500
R78 "RES - 0402" RES_0402 828.21,3595.89 r180 top value=100
R79 "RES - 0402" RES_0402 1887.49,3263.47 r90 top value=10k
R80 "RES - 0402" RES_0402 1182.42,3622.71 r180 top value=500
R81 "RES - 0402" RES_0402 1675.97,3462.05 r90 top value=25
R82 "RES - 0402" RES_0402 1675.97,3841.21 r270 top value=25
R83 "RES - 0402" RES_0402 1084.43,3517.18 r270 top value=1k
R84 "RES - 0402" RES_0402 1071.28,3148.07 r0 top value=1k
R85 "RES - 0402" RES_0402 2295.57,3006.11 r180 top value=100
R86 "RES - 0402" RES_0402 1028.79,2885.1 r180 top value=500
R87 "RES - 0402" RES_0402 823.08,3155.89 r180 top value=100
R88 "RES - 0402" RES_0402 1028.8,2922.86 r180 top value=500
R89 "RES - 0402" RES_0402 994.1,3236.21 r90 top value=1k
R90 "RES - 0402" RES_0402 1660.97,2815.1 r90 top value=25
R91 "RES - 0402" RES_0402 1660.97,3186.21 r270 top value=25
R92 "RES - 0402" RES_0402 892.36,1084.4 r180 top value=301
R93 "RES - 0402" RES_0402 2056.15,882.63 r90 top value=100
R94 "RES - 0402" RES_0402 851.93,1121.6 r180 top value=301
R95 "RES - 0402" RES_0402 1060.4,1024.5 r180 top value=301
R96 "RES - 0402" RES_0402 832.93,1066.59 r90 top value=100
R97 "RES - 0402" RES_0402 1454.34,988.34 r0 top value=100
R98 "RES - 0402" RES_0402 1078.38,969.2 r90 top value=301
R99 "RES - 0402" RES_0402 1454.47,951.7 r0 top value=100
R100 "RES - 0402" RES_0402 893.98,711.07 r180 top value=301
R101 "RES - 0402" RES_0402 852.93,750.5 r180 top value=301
R102 "RES - 0402" RES_0402 1090,713.57 r270 top value=301
R103 "RES - 0402" RES_0402 1454.47,741.49 r0 top value=100
R104 "RES - 0402" RES_0402 835.59,693.26 r90 top value=100
R105 "RES - 0402" RES_0402 1145.26,730.68 r180 top value=301
R106 "RES - 0402" RES_0402 1454.6,699.01 r0 top value=100
R107 "RES - 0402" RES_0402 1323.01,7610.57 r180 top value=10k
R108 "RES - 0402" RES_0402 1414.35,7610.57 r0 top value=10k
R109 "RES - 0402" RES_0402 1574.13,7225.76 r270 top value=100m
R110 "RES - 0402" RES_0402 1434.87,7407.83 r180 top value=10k
R111 "RES - 0402" RES_0402 1509.37,7407.83 r180 top value=10k
R112 "RES - 0402" RES_0402 1639.46,7488.86 r270 top value=47k
R113 "RES - 0402" RES_0402 1306.22,7456.83 r270 top value=47k
R114 "RES - 0402" RES_0402 1241.46,7225.76 r270 top value=100m
R115 "RES - 0402" RES_0402 3607.79,6968.58 r180 top value=2.4k
R116 "RES - 0402" RES_0402 4089.98,6868.58 r0 top value=100
R117 "RES - 0402" RES_0402 3607.79,6918.58 r180 top value=100
R118 "RES - 0402" RES_0402 4089.98,6831.07 r180 top value=100
R119 "RES - 0402" RES_0402 1329.91,9299.25 r180 top value=191
R120 "RES - 0402" RES_0402 1789.54,9301.18 r180 top value=4.7k
R121 "RES - 0402" RES_0402 1807.04,9361.75 r270 top value=10k
R122 "RES - 0402" RES_0402 1079.82,9714.57 r180 top value=24
R123 "RES - 0402" RES_0402 1782.68,9724.56 r180 top value=24
R124 "RES - 0402" RES_0402 1782.69,9674.57 r180 top value=24
R125 "RES - 0402" RES_0402 1079.82,9664.57 r180 top value=24
SW1 "B3SN-3012P" SWI_TACT_B3SN-3012P 3791.89,1753.58 r90 top
SW2 "B3SN-3012P" SWI_TACT_B3SN-3012P 3121.89,1733.54 r90 top
SW3 "B3SN-3012P" SWI_TACT_B3SN-3012P 2581.89,1733.54 r90 top
T1 "H1102NLT" TRANSFO_H1102NLT 1242.52,5526.25 r180 top value="1:1 (350uH)"
U1 "MIC61300" TSSOP50P490X104-10N 4297.79,3441.39 r0 top
U2 "LMZ23605TZE/NOPB" REG_SWR_LMZ23605TZE/NOPB 1977.79,8796.19 r0 top locked value="0.8 ~ 6 V"
U3 "PTH04T231WAZ" REG_SWR_PTH04T231WAZ 5044.75,8136.51 r0 top value="0.69 - 3.6V (Out)"
U4 "PTH04T231WAZ" REG_SWR_PTH04T231WAZ 3497.79,8993.58 r0 top value="0.69 - 3.6V (Out)"
U5 "PTH04T231WAZ" REG_SWR_PTH04T231WAZ 3069.65,3315.02 r270 top locked value="0.69 - 3.6V (Out)"
U6 "PTH04T231WAZ" REG_SWR_PTH04T231WAZ 2463.52,6260.09 r0 top locked value="0.69 - 3.6V (Out)"
U7 "LMZ23605TZE/NOPB" REG_SWR_LMZ23605TZE/NOPB 501.97,2393.58 r90 top value="0.8 ~ 6 V"
U8 "PTH04T231WAZ" REG_SWR_PTH04T231WAZ 1335.44,4502.5 r0 top value="0.69 - 3.6V (Out)"
U9 "PTN04050AAZT" REG_SWR_PTN04050AAZT 1517.79,1713.58 r0 top locked value="-15 ~ -3.3V"
U10 "XC6SLX100-3FGG676C" FPGA_XILINX_FGG676 3342.81,4840.79 r0 top
U11 "TC74A0-3.3VCTTR" SEN_TEMP_TC74A0-3.3VCTTR 4032.79,4050.11 r180 top locked
U12 "TC74A0-3.3VCTTR" SEN_TEMP_TC74A0-3.3VCTTR 657.79,9276.73 r0 top
U13 "CDCE62005RGZT" TIM_CDCE62005RGZT 2837.48,7633.58 r0 top locked
U14 "MEM_DDR3_MT41J128M16JT-125:K TR" MEM_DDR3_MT41J128M16JT-125 5025.23,6496.66 r0 top
U15 "TPS51200DRCT" REG_PMIC_TPS51200DRCT 5393.72,7017.21 r0 top value="DDR, DDR2, DDR3(L), DDR4"
U16 "KSZ8091MNXCA" COM_ETH_PHY_KSZ8091MNXCA 2039.01,5502.2 r0 top
U17 "AD9146BCPZ" DAC_AD9146BCPZ 2317.54,3482.13 r90 top
U18 "AD8056ARMZ" OPAMP_AD8056ARMZ 1088.83,3341.58 r270 top
U19 "ADS62P48IRGCT" ADC_ADS62P48IRGCT 2468.15,912.16 r270 top locked
U20 "ADA4927-2YCPZ-R2" OPAMP_ADA4927-2YCPZ-R2 1221.97,898.55 r0 top
U21 "DRV8811PWPR" POW_MOTOR_DRV8811PWPR 1407.79,7033.58 r270 top
U22 "N25Q032A13ESC40F" SOIC127P790X216-8N 3837.79,6893.58 r0 top
U23 "LTV-356T" SOP254P700X240-4N 1552.88,9349.25 r0 top
Y1 "590BD-BDG" OSC_590BD-BDG 3687.48,7662.11 r180 top locked value="±7ppm (freq Stability), ±20ppm (freq stability total)"
Y2 "ASDMB-25.000MHZ-LC-T" OSC_ASDMB-25.000MHZ-LC-T 1912.03,5135.08 r0 top value=25MHz

## Footprints (in the part's own frame and the unit in brackets; to place one, negate y for a bottom-side part, rotate by r counter-clockwise, add the part's x,y. Pads: shape width x height; smd on the part's side, far side on the other; paste and mask are expansions set on the pad)
ADC_ADS62P48IRGCT [mm] "QFN, 64-Leads, Body 9,00x9,00mm, Pitch 0,50mm, Thermal Pad 7,40x7,40mm, IPC Medium Density"
  oval 0.8x0.23 smd mask+0.07: 1(-4.475,3.75) 2(-4.475,3.25) 3(-4.475,2.75) 4(-4.475,2.25) 5(-4.475,1.75) 6(-4.475,1.25) 7(-4.475,0.75) 8(-4.475,0.25) 9(-4.475,-0.25) 10(-4.475,-0.75) 11(-4.475,-1.25) 12(-4.475,-1.75) 13(-4.475,-2.25) 14(-4.475,-2.75) 15(-4.475,-3.25) 16(-4.475,-3.75) 33(4.475,-3.75) 34(4.475,-3.25) 35(4.475,-2.75) 36(4.475,-2.25) 37(4.475,-1.75) 38(4.475,-1.25) 39(4.475,-0.75) 40(4.475,-0.25) 41(4.475,0.25) 42(4.475,0.75) 43(4.475,1.25) 44(4.475,1.75) 45(4.475,2.25) 46(4.475,2.75) 47(4.475,3.25) 48(4.475,3.75)
  oval 0.23x0.8 smd mask+0.07: 17(-3.75,-4.475) 18(-3.25,-4.475) 19(-2.75,-4.475) 20(-2.25,-4.475) 21(-1.75,-4.475) 22(-1.25,-4.475) 23(-0.75,-4.475) 24(-0.25,-4.475) 25(0.25,-4.475) 26(0.75,-4.475) 27(1.25,-4.475) 28(1.75,-4.475) 29(2.25,-4.475) 30(2.75,-4.475) 31(3.25,-4.475) 32(3.75,-4.475) 49(3.75,4.475) 50(3.25,4.475) 51(2.75,4.475) 52(2.25,4.475) 53(1.75,4.475) 54(1.25,4.475) 55(0.75,4.475) 56(0.25,4.475) 57(-0.25,4.475) 58(-0.75,4.475) 59(-1.25,4.475) 60(-1.75,4.475) 61(-2.25,4.475) 62(-2.75,4.475) 63(-3.25,4.475) 64(-3.75,4.475)
  rect 7.4x7.4 smd mask+0.07: PAD(0,0)
  silkscreen extent -5.5,-4.72 4.72,4.72, body extent -4.57,-4.57 4.57,4.57, height 1
CAP_0201 [mil]
  rect 12x18 smd: 1(-11,0) 2(11,0)
  silkscreen extent -23,-14 22,14, body extent -12,-6 12,6, height 12
CAP_0402 [mil]
  rrect60% 20x20 smd: 1(-17.5,0) 2(17.5,0)
  silkscreen extent -32,-15 32,15, body extent -19,-10 20,10, height 20
CAP_0603 [mil]
  rrect35% 35x34 smd: 1(-29.5,0) 2(29.5,0)
  silkscreen extent -56,-30 56,30, body extent -32,-16 31,16, height 35
CAP_0805 [mil]
  rrect37% 43x55 smd: 1(-33.5,0) 2(33.5,0)
  silkscreen extent -66,-38 66,38, body extent -39,-24 40,25, height 49
CAP_1206 [mil]
  rrect34% 47x71 smd: 1(-57,0) 2(57,0)
  silkscreen extent -91,-45 91,45, body extent -62,-31 64,32, height 49
CAP_1210 [mm]
  rrect40% 1.5x2.5 smd: 1(-1.6,0) 2(1.6,0)
  silkscreen extent -2.54,-1.78 2.54,1.78, body extent -1.57,-1.24 1.63,1.26, height 2.5
CAP_ALU_1010_vishay [mm]
  rrect50% 4.4x2.5 smd: 1(8.4,0) 2(0,0)
  silkscreen extent -0.72,-6.05 11.22,5.28, body extent -1.4,-5.17 10.2,5.13, height 10.2
CAP_TAN_1206(A) [mm]
  rect 2.2x1.35 smd: 1(-1.41,0) 2(1.41,0)
  silkscreen extent -2.79,-1.02 2.79,2.03, body extent -1.8,-0.83 1.59,0.77, height 1.67
COM_ETH_PHY_KSZ8091MNXCA [mm]
  rect 0.8x0.25 smd: 1(-2.45,1.75) 2(-2.45,1.25) 3(-2.45,0.75) 4(-2.45,0.25) 5(-2.45,-0.25) 6(-2.45,-0.75) 7(-2.45,-1.25) 8(-2.45,-1.75) 17(2.45,-1.75) 18(2.45,-1.25) 19(2.45,-0.75) 20(2.45,-0.25) 21(2.45,0.25) 22(2.45,0.75) 23(2.45,1.25) 24(2.45,1.75)
  rect 0.25x0.8 smd: 9(-1.75,-2.45) 10(-1.25,-2.45) 11(-0.75,-2.45) 12(-0.25,-2.45) 13(0.25,-2.45) 14(0.75,-2.45) 15(1.25,-2.45) 16(1.75,-2.45) 25(1.75,2.45) 26(1.25,2.45) 27(0.75,2.45) 28(0.25,2.45) 29(-0.25,2.45) 30(-0.75,2.45) 31(-1.25,2.45) 32(-1.75,2.45)
  rrect0% 3.4x3.4 smd: 33(0,0)
  round 0.6 hole 0.35: 34(-1.07,1.07) 35(0,1.07) 36(1.07,1.07) 37(-1.07,0) 38(0,0) 39(1.07,0) 40(-1.07,-1.07) 41(0,-1.07) 42(1.07,-1.07)
  silkscreen extent -3.48,-2.98 2.98,2.98, body extent -2.5,-2.5 2.5,2.5, height 0.9
CON_MINIFIT_0039300060 [mm]
  round 0 hole 2.997 unplated mask+0.07: 0(-4.2,2.718) 0(4.2,2.718)
  rect 3x3 hole 1.803 mask+0.07: 1(-4.2,-4.583)
  round 3 hole 1.803 mask+0.07: 2(0,-4.583) 3(4.2,-4.583) 4(-4.2,-10.082) 5(0,-10.082) 6(4.2,-10.082)
  silkscreen extent -7.37,-3.3 6.98,9.4, body extent -7.3,-10.62 6.9,9.32, height 11.4
CON_USB_USB-B-S-F-B-TH [mm]
  round 1.6 hole 0.9 mask+0.07: 1(1.25,4.7) 2(-1.25,4.7) 3(-1.25,2.7) 4(1.25,2.7)
  round 3 hole 2.3 mask+0.07: 5(-6.02,0) 6(6.02,0)
  silkscreen extent -6.38,-5.7 6.38,6.32, body extent -7.25,-10.4 7.25,6.1, height 10.9
CONN_ETHERNET_RJHSE-5385 [mil] "Ethernet connector with LEDs"
  round 150 hole 128: 0(-250,-100) 0(250,-100)
  oct 60x60 hole 35: 1(140,0)
  round 60 hole 35: 2(100,70) 3(60,0) 4(20,70) 5(-20,0) 6(-60,70) 7(-100,0) 8(-140,70) 9(270,260) 10(180,260) 11(-180,260) 12(-270,260)
  silkscreen extent -330,-300 335,300, body extent -329,-325 334,313, height 597
CONN_SMA_5-1814400-1 [mm] "SMA Right Angle Jack, 14.8x6.35x9.6mm"
  round 2.2 hole 1.65: 1(0,0) 2(-2.54,2.54) 3(2.54,2.54) 4(-2.54,-2.54) 5(2.54,-2.54)
  silkscreen extent -3.17,-3.17 3.17,3.17, body extent -3.15,-3.16 3.18,11.04, height 10.47
CONN_TERMINAL_OSTTA040161 [mm] "4-pins terminal block"
  rect 1.905x1.905 hole 1.3 mask+0.12: 1(-7.5,0)
  round 1.905 hole 1.3 mask+0.12: 2(-2.5,0) 3(2.5,0) 4(7.5,0)
  silkscreen extent -10.6,-4 10.6,5, body extent -10.67,-3.3 10.49,4.2, height 10.08
DAC_AD9146BCPZ [mm] "QFN, 48-Leads, Body 7x7mm, Pitch 0.5mm, Thermal Pad 5.6x5.6mm, IPC Medium Density"
  oval 0.85x0.28 smd mask+0.07: 1(-3.475,2.75) 2(-3.475,2.25) 3(-3.475,1.75) 4(-3.475,1.25) 5(-3.475,0.75) 6(-3.475,0.25) 7(-3.475,-0.25) 8(-3.475,-0.75) 9(-3.475,-1.25) 10(-3.475,-1.75) 11(-3.475,-2.25) 12(-3.475,-2.75) 25(3.475,-2.75) 26(3.475,-2.25) 27(3.475,-1.75) 28(3.475,-1.25) 29(3.475,-0.75) 30(3.475,-0.25) 31(3.475,0.25) 32(3.475,0.75) 33(3.475,1.25) 34(3.475,1.75) 35(3.475,2.25) 36(3.475,2.75)
  oval 0.28x0.85 smd mask+0.07: 13(-2.75,-3.475) 14(-2.25,-3.475) 15(-1.75,-3.475) 16(-1.25,-3.475) 17(-0.75,-3.475) 18(-0.25,-3.475) 19(0.25,-3.475) 20(0.75,-3.475) 21(1.25,-3.475) 22(1.75,-3.475) 23(2.25,-3.475) 24(2.75,-3.475) 37(2.75,3.475) 38(2.25,3.475) 39(1.75,3.475) 40(1.25,3.475) 41(0.75,3.475) 42(0.25,3.475) 43(-0.25,3.475) 44(-0.75,3.475) 45(-1.25,3.475) 46(-1.75,3.475) 47(-2.25,3.475) 48(-2.75,3.475)
  rect 5.6x5.6 smd mask+0.07: PAD(0,0)
  silkscreen extent -4.47,-3.7 3.7,3.7, body extent -3.55,-3.55 3.55,3.55, height 0.8
DIO_SCHOTTKY_BAS40-04-7-F [mm]
  rrect50% 1x0.8 smd paste-0.025 mask+0.07: 1(-1.2,0.95) 2(-1.2,-0.95) 3(1.2,0)
  silkscreen extent -1.08,-1.61 0.91,1.75, body extent -1.25,-1.5 1.25,1.5, height 1.1
FER_0402 [mil]
  rrect60% 20x20 smd: 1(-17.5,0) 2(17.5,0)
  silkscreen extent -32,-15 32,15, body extent -20,-10 20,10, height 20
FID_CIRCLE_1MM [mm]
  round 1 smd paste-1 mask+1: 1(0,0)
  round 1 smd far side paste-1 mask+1: 2(0,0)
  Top keep-out circle w1: c0,0 r1
  Bottom keep-out circle w1: c0,0 r1
  silkscreen extent -1.65,-1.65 1.65,1.65